# Allegro board LED_FIN.brd (continued)
## Routing (per net, layer and track width the routed paths; a pad name or vN(x,y) marks a point on that pad's centre or on a via; arc(x,y) is an arc through that point) (continued)
COL_OUT_C103: length 257.4
  TOP w0.15: D9287.1 v1(71.25,230.8) ; D9317.1 v1(71.25,228.8) ; D9617.1 v1(71.25,208.8) ; D9947.1 v1(71.25,186.8) ; D9257.1 v1(71.25,232.8) ; D10127.1 v1(71.25,174.8) ; D9767.1 v1(71.25,198.8) ; D9467.1 v1(71.25,218.8) ; D9917.1 v1(71.25,188.8) ; D9557.1 v1(71.25,212.8) ; D9167.1 v1(71.25,238.8) ; D9437.1 v1(71.25,220.8) ; D10157.1 v1(71.25,172.8) ; R257.1 70.7,10.6 v1(71.25,10.6) ; D9197.1 v1(71.25,236.8) ; D9647.1 v1(71.25,206.8) ; D9407.1 v1(71.25,222.8) ; D9527.1 v1(71.25,214.8) ; D9227.1 v1(71.25,234.8) ; D10187.1 v1(71.25,170.8) ; D9737.1 v1(71.25,200.8) ; D9827.1 v1(71.25,194.8) ; D10217.1 v1(71.25,168.8) ; D10247.1 v1(71.25,166.8) ; D9707.1 v1(71.25,202.8) ; D10097.1 v1(71.25,176.8) ; D9587.1 v1(71.25,210.8) ; D9797.1 v1(71.25,196.8) ; D9497.1 v1(71.25,216.8) ; D9347.1 v1(71.25,226.8) ; D9377.1 v1(71.25,224.8) ; D9677.1 v1(71.25,204.8) ; D9857.1 v1(71.25,192.8) ; D9887.1 v1(71.25,190.8) ; D10037.1 v1(71.25,180.8) ; D9977.1 v1(71.25,184.8) ; D10067.1 v1(71.25,178.8) ; D10007.1 v1(71.25,182.8) ; D9137.1 v1(71.25,240.8)
  BOTTOM w0.15: v1(71.25,240.8) v1(71.25,238.8) v1(71.25,236.8) v1(71.25,234.8) v1(71.25,232.8) v1(71.25,230.8) v1(71.25,228.8) v1(71.25,226.8) v1(71.25,224.8) v1(71.25,222.8) v1(71.25,220.8) v1(71.25,218.8) v1(71.25,216.8) v1(71.25,214.8) v1(71.25,212.8) v1(71.25,210.8) v1(71.25,208.8) v1(71.25,206.8) v1(71.25,204.8) v1(71.25,202.8) v1(71.25,200.8) v1(71.25,198.8) v1(71.25,196.8) v1(71.25,194.8) v1(71.25,192.8) v1(71.25,190.8) v1(71.25,188.8) v1(71.25,186.8) v1(71.25,184.8) v1(71.25,182.8) v1(71.25,180.8) v1(71.25,178.8) v1(71.25,176.8) v1(71.25,174.8) v1(71.25,172.8) v1(71.25,170.8) v1(71.25,168.8) v1(71.25,166.8) v1(71.25,10.6)
COL_OUT_C104: length 257.4
  TOP w0.15: D9676.1 v1(69.25,204.8) ; D9196.1 v1(69.25,236.8) ; D10246.1 v1(69.25,166.8) ; D9556.1 v1(69.25,212.8) ; D9316.1 v1(69.25,228.8) ; D9586.1 v1(69.25,210.8) ; D9346.1 v1(69.25,226.8) ; D10186.1 v1(69.25,170.8) ; D9256.1 v1(69.25,232.8) ; D10096.1 v1(69.25,176.8) ; D10006.1 v1(69.25,182.8) ; D9796.1 v1(69.25,196.8) ; D9226.1 v1(69.25,234.8) ; D9856.1 v1(69.25,192.8) ; D9766.1 v1(69.25,198.8) ; D9736.1 v1(69.25,200.8) ; D9406.1 v1(69.25,222.8) ; v1(69.25,10.6) 68.7,10.6 R256.1 ; D9616.1 v1(69.25,208.8) ; D9976.1 v1(69.25,184.8) ; D10156.1 v1(69.25,172.8) ; D10066.1 v1(69.25,178.8) ; D9526.1 v1(69.25,214.8) ; D10126.1 v1(69.25,174.8) ; D9376.1 v1(69.25,224.8) ; D9826.1 v1(69.25,194.8) ; D9706.1 v1(69.25,202.8) ; D9646.1 v1(69.25,206.8) ; D10216.1 v1(69.25,168.8) ; D9946.1 v1(69.25,186.8) ; D9286.1 v1(69.25,230.8) ; D9916.1 v1(69.25,188.8) ; D9496.1 v1(69.25,216.8) ; D9166.1 v1(69.25,238.8) ; D9136.1 v1(69.25,240.8) ; D9436.1 v1(69.25,220.8) ; D9886.1 v1(69.25,190.8) ; D10036.1 v1(69.25,180.8) ; D9466.1 v1(69.25,218.8)
  BOTTOM w0.15: v1(69.25,240.8) v1(69.25,238.8) v1(69.25,236.8) v1(69.25,234.8) v1(69.25,232.8) v1(69.25,230.8) v1(69.25,228.8) v1(69.25,226.8) v1(69.25,224.8) v1(69.25,222.8) v1(69.25,220.8) v1(69.25,218.8) v1(69.25,216.8) v1(69.25,214.8) v1(69.25,212.8) v1(69.25,210.8) v1(69.25,208.8) v1(69.25,206.8) v1(69.25,204.8) v1(69.25,202.8) v1(69.25,200.8) v1(69.25,198.8) v1(69.25,196.8) v1(69.25,194.8) v1(69.25,192.8) v1(69.25,190.8) v1(69.25,188.8) v1(69.25,186.8) v1(69.25,184.8) v1(69.25,182.8) v1(69.25,180.8) v1(69.25,178.8) v1(69.25,176.8) v1(69.25,174.8) v1(69.25,172.8) v1(69.25,170.8) v1(69.25,168.8) v1(69.25,166.8) v1(69.25,10.6)
COL_OUT_C105: length 257.4
  TOP w0.15: D9375.1 v1(67.25,224.8) ; D9135.1 v1(67.25,240.8) ; R255.1 66.7,10.6 v1(67.25,10.6) ; D9585.1 v1(67.25,210.8) ; D9555.1 v1(67.25,212.8) ; D9765.1 v1(67.25,198.8) ; D9705.1 v1(67.25,202.8) ; D9915.1 v1(67.25,188.8) ; D9225.1 v1(67.25,234.8) ; D10245.1 v1(67.25,166.8) ; D9195.1 v1(67.25,236.8) ; D9945.1 v1(67.25,186.8) ; D9825.1 v1(67.25,194.8) ; D9855.1 v1(67.25,192.8) ; D9795.1 v1(67.25,196.8) ; D9345.1 v1(67.25,226.8) ; D9525.1 v1(67.25,214.8) ; D10125.1 v1(67.25,174.8) ; D9735.1 v1(67.25,200.8) ; D10035.1 v1(67.25,180.8) ; D9495.1 v1(67.25,216.8) ; D10215.1 v1(67.25,168.8) ; D9645.1 v1(67.25,206.8) ; D9435.1 v1(67.25,220.8) ; D10095.1 v1(67.25,176.8) ; D10005.1 v1(67.25,182.8) ; D9885.1 v1(67.25,190.8) ; D9285.1 v1(67.25,230.8) ; D9615.1 v1(67.25,208.8) ; D9165.1 v1(67.25,238.8) ; D9465.1 v1(67.25,218.8) ; D10065.1 v1(67.25,178.8) ; D10155.1 v1(67.25,172.8) ; D9255.1 v1(67.25,232.8) ; D9975.1 v1(67.25,184.8) ; D9315.1 v1(67.25,228.8) ; D9675.1 v1(67.25,204.8) ; D10185.1 v1(67.25,170.8) ; D9405.1 v1(67.25,222.8)
  BOTTOM w0.15: v1(67.25,10.6) v1(67.25,166.8) v1(67.25,168.8) v1(67.25,170.8) v1(67.25,172.8) v1(67.25,174.8) v1(67.25,176.8) v1(67.25,178.8) v1(67.25,180.8) v1(67.25,182.8) v1(67.25,184.8) v1(67.25,186.8) v1(67.25,188.8) v1(67.25,190.8) v1(67.25,192.8) v1(67.25,194.8) v1(67.25,196.8) v1(67.25,198.8) v1(67.25,200.8) v1(67.25,202.8) v1(67.25,204.8) v1(67.25,206.8) v1(67.25,208.8) v1(67.25,210.8) v1(67.25,212.8) v1(67.25,214.8) v1(67.25,216.8) v1(67.25,218.8) v1(67.25,220.8) v1(67.25,222.8) v1(67.25,224.8) v1(67.25,226.8) v1(67.25,228.8) v1(67.25,230.8) v1(67.25,232.8) v1(67.25,234.8) v1(67.25,236.8) v1(67.25,238.8) v1(67.25,240.8)
COL_OUT_C106: length 257.4
  TOP w0.15: D9854.1 v1(65.25,192.8) ; D9764.1 v1(65.25,198.8) ; D10004.1 v1(65.25,182.8) ; D10184.1 v1(65.25,170.8) ; D9164.1 v1(65.25,238.8) ; D9464.1 v1(65.25,218.8) ; D9644.1 v1(65.25,206.8) ; D9974.1 v1(65.25,184.8) ; D9944.1 v1(65.25,186.8) ; D9314.1 v1(65.25,228.8) ; D10154.1 v1(65.25,172.8) ; D9344.1 v1(65.25,226.8) ; D9434.1 v1(65.25,220.8) ; D9884.1 v1(65.25,190.8) ; D9914.1 v1(65.25,188.8) ; D9794.1 v1(65.25,196.8) ; D9554.1 v1(65.25,212.8) ; D9404.1 v1(65.25,222.8) ; D9674.1 v1(65.25,204.8) ; D9614.1 v1(65.25,208.8) ; D10124.1 v1(65.25,174.8) ; D10244.1 v1(65.25,166.8) ; D9824.1 v1(65.25,194.8) ; D10094.1 v1(65.25,176.8) ; D9284.1 v1(65.25,230.8) ; D10034.1 v1(65.25,180.8) ; D9254.1 v1(65.25,232.8) ; v1(65.25,10.6) 64.7,10.6 R254.1 ; D9224.1 v1(65.25,234.8) ; D9734.1 v1(65.25,200.8) ; D10064.1 v1(65.25,178.8) ; D10214.1 v1(65.25,168.8) ; D9584.1 v1(65.25,210.8) ; D9704.1 v1(65.25,202.8) ; D9194.1 v1(65.25,236.8) ; D9134.1 v1(65.25,240.8) ; D9374.1 v1(65.25,224.8) ; D9524.1 v1(65.25,214.8) ; D9494.1 v1(65.25,216.8)
  BOTTOM w0.15: v1(65.25,10.6) v1(65.25,166.8) v1(65.25,168.8) v1(65.25,170.8) v1(65.25,172.8) v1(65.25,174.8) v1(65.25,176.8) v1(65.25,178.8) v1(65.25,180.8) v1(65.25,182.8) v1(65.25,184.8) v1(65.25,186.8) v1(65.25,188.8) v1(65.25,190.8) v1(65.25,192.8) v1(65.25,194.8) v1(65.25,196.8) v1(65.25,198.8) v1(65.25,200.8) v1(65.25,202.8) v1(65.25,204.8) v1(65.25,206.8) v1(65.25,208.8) v1(65.25,210.8) v1(65.25,212.8) v1(65.25,214.8) v1(65.25,216.8) v1(65.25,218.8) v1(65.25,220.8) v1(65.25,222.8) v1(65.25,224.8) v1(65.25,226.8) v1(65.25,228.8) v1(65.25,230.8) v1(65.25,232.8) v1(65.25,234.8) v1(65.25,236.8) v1(65.25,238.8) v1(65.25,240.8)
COL_OUT_C107: length 257.4
  TOP w0.15: D9613.1 v1(63.25,208.8) ; D9823.1 v1(63.25,194.8) ; D9703.1 v1(63.25,202.8) ; D9373.1 v1(63.25,224.8) ; D10153.1 v1(63.25,172.8) ; D10123.1 v1(63.25,174.8) ; D9793.1 v1(63.25,196.8) ; D9283.1 v1(63.25,230.8) ; D9583.1 v1(63.25,210.8) ; D9553.1 v1(63.25,212.8) ; D9433.1 v1(63.25,220.8) ; D10003.1 v1(63.25,182.8) ; D10063.1 v1(63.25,178.8) ; D9643.1 v1(63.25,206.8) ; D10243.1 v1(63.25,166.8) ; D9943.1 v1(63.25,186.8) ; D9913.1 v1(63.25,188.8) ; D9343.1 v1(63.25,226.8) ; D9673.1 v1(63.25,204.8) ; D10093.1 v1(63.25,176.8) ; D10033.1 v1(63.25,180.8) ; D9193.1 v1(63.25,236.8) ; D9763.1 v1(63.25,198.8) ; D10213.1 v1(63.25,168.8) ; D9253.1 v1(63.25,232.8) ; D9133.1 v1(63.25,240.8) ; D9223.1 v1(63.25,234.8) ; D9463.1 v1(63.25,218.8) ; D9733.1 v1(63.25,200.8) ; R253.1 62.7,10.6 v1(63.25,10.6) ; D9853.1 v1(63.25,192.8) ; D9493.1 v1(63.25,216.8) ; D9313.1 v1(63.25,228.8) ; D9403.1 v1(63.25,222.8) ; D9973.1 v1(63.25,184.8) ; D9883.1 v1(63.25,190.8) ; D9523.1 v1(63.25,214.8) ; D9163.1 v1(63.25,238.8) ; D10183.1 v1(63.25,170.8)
  BOTTOM w0.15: v1(63.25,10.6) v1(63.25,166.8) v1(63.25,168.8) v1(63.25,170.8) v1(63.25,172.8) v1(63.25,174.8) v1(63.25,176.8) v1(63.25,178.8) v1(63.25,180.8) v1(63.25,182.8) v1(63.25,184.8) v1(63.25,186.8) v1(63.25,188.8) v1(63.25,190.8) v1(63.25,192.8) v1(63.25,194.8) v1(63.25,196.8) v1(63.25,198.8) v1(63.25,200.8) v1(63.25,202.8) v1(63.25,204.8) v1(63.25,206.8) v1(63.25,208.8) v1(63.25,210.8) v1(63.25,212.8) v1(63.25,214.8) v1(63.25,216.8) v1(63.25,218.8) v1(63.25,220.8) v1(63.25,222.8) v1(63.25,224.8) v1(63.25,226.8) v1(63.25,228.8) v1(63.25,230.8) v1(63.25,232.8) v1(63.25,234.8) v1(63.25,236.8) v1(63.25,238.8) v1(63.25,240.8)
COL_OUT_C108: length 257.4
  TOP w0.15: D9462.1 v1(61.25,218.8) ; D9972.1 v1(61.25,184.8) ; D9792.1 v1(61.25,196.8) ; D9762.1 v1(61.25,198.8) ; D9852.1 v1(61.25,192.8) ; R252.1 60.7,10.6 v1(61.25,10.6) ; D9252.1 v1(61.25,232.8) ; D9912.1 v1(61.25,188.8) ; D9882.1 v1(61.25,190.8) ; D9222.1 v1(61.25,234.8) ; D9822.1 v1(61.25,194.8) ; D9612.1 v1(61.25,208.8) ; D9132.1 v1(61.25,240.8) ; D9552.1 v1(61.25,212.8) ; D9342.1 v1(61.25,226.8) ; D9522.1 v1(61.25,214.8) ; D10122.1 v1(61.25,174.8) ; D9942.1 v1(61.25,186.8) ; D10242.1 v1(61.25,166.8) ; D9702.1 v1(61.25,202.8) ; D10212.1 v1(61.25,168.8) ; D9162.1 v1(61.25,238.8) ; D10002.1 v1(61.25,182.8) ; D9312.1 v1(61.25,228.8) ; D9732.1 v1(61.25,200.8) ; D9432.1 v1(61.25,220.8) ; D10092.1 v1(61.25,176.8) ; D10182.1 v1(61.25,170.8) ; D9282.1 v1(61.25,230.8) ; D9402.1 v1(61.25,222.8) ; D10152.1 v1(61.25,172.8) ; D9372.1 v1(61.25,224.8) ; D9192.1 v1(61.25,236.8) ; D10032.1 v1(61.25,180.8) ; D9642.1 v1(61.25,206.8) ; D9672.1 v1(61.25,204.8) ; D9582.1 v1(61.25,210.8) ; D9492.1 v1(61.25,216.8) ; D10062.1 v1(61.25,178.8)
  BOTTOM w0.15: v1(61.25,10.6) v1(61.25,166.8) v1(61.25,168.8) v1(61.25,170.8) v1(61.25,172.8) v1(61.25,174.8) v1(61.25,176.8) v1(61.25,178.8) v1(61.25,180.8) v1(61.25,182.8) v1(61.25,184.8) v1(61.25,186.8) v1(61.25,188.8) v1(61.25,190.8) v1(61.25,192.8) v1(61.25,194.8) v1(61.25,196.8) v1(61.25,198.8) v1(61.25,200.8) v1(61.25,202.8) v1(61.25,204.8) v1(61.25,206.8) v1(61.25,208.8) v1(61.25,210.8) v1(61.25,212.8) v1(61.25,214.8) v1(61.25,216.8) v1(61.25,218.8) v1(61.25,220.8) v1(61.25,222.8) v1(61.25,224.8) v1(61.25,226.8) v1(61.25,228.8) v1(61.25,230.8) v1(61.25,232.8) v1(61.25,234.8) v1(61.25,236.8) v1(61.25,238.8) v1(61.25,240.8)
COL_OUT_C109: length 257.4
  TOP w0.15: D9161.1 v1(59.25,238.8) ; D9491.1 v1(59.25,216.8) ; D9641.1 v1(59.25,206.8) ; D9131.1 v1(59.25,240.8) ; D9431.1 v1(59.25,220.8) ; D9911.1 v1(59.25,188.8) ; D9941.1 v1(59.25,186.8) ; D10211.1 v1(59.25,168.8) ; D10061.1 v1(59.25,178.8) ; D10241.1 v1(59.25,166.8) ; D9371.1 v1(59.25,224.8) ; D10181.1 v1(59.25,170.8) ; D9191.1 v1(59.25,236.8) ; R251.1 58.7,10.6 v1(59.25,10.6) ; D9221.1 v1(59.25,234.8) ; D9971.1 v1(59.25,184.8) ; D9461.1 v1(59.25,218.8) ; D9401.1 v1(59.25,222.8) ; D10031.1 v1(59.25,180.8) ; D9281.1 v1(59.25,230.8) ; D10151.1 v1(59.25,172.8) ; D9761.1 v1(59.25,198.8) ; D9581.1 v1(59.25,210.8) ; D9341.1 v1(59.25,226.8) ; D10001.1 v1(59.25,182.8) ; D9521.1 v1(59.25,214.8) ; D9851.1 v1(59.25,192.8) ; D9611.1 v1(59.25,208.8) ; D10091.1 v1(59.25,176.8) ; D9551.1 v1(59.25,212.8) ; D9251.1 v1(59.25,232.8) ; D9881.1 v1(59.25,190.8) ; D9731.1 v1(59.25,200.8) ; D9791.1 v1(59.25,196.8) ; D9821.1 v1(59.25,194.8) ; D9701.1 v1(59.25,202.8) ; D10121.1 v1(59.25,174.8) ; D9311.1 v1(59.25,228.8) ; D9671.1 v1(59.25,204.8)
  BOTTOM w0.15: v1(59.25,10.6) v1(59.25,166.8) v1(59.25,168.8) v1(59.25,170.8) v1(59.25,172.8) v1(59.25,174.8) v1(59.25,176.8) v1(59.25,178.8) v1(59.25,180.8) v1(59.25,182.8) v1(59.25,184.8) v1(59.25,186.8) v1(59.25,188.8) v1(59.25,190.8) v1(59.25,192.8) v1(59.25,194.8) v1(59.25,196.8) v1(59.25,198.8) v1(59.25,200.8) v1(59.25,202.8) v1(59.25,204.8) v1(59.25,206.8) v1(59.25,208.8) v1(59.25,210.8) v1(59.25,212.8) v1(59.25,214.8) v1(59.25,216.8) v1(59.25,218.8) v1(59.25,220.8) v1(59.25,222.8) v1(59.25,224.8) v1(59.25,226.8) v1(59.25,228.8) v1(59.25,230.8) v1(59.25,232.8) v1(59.25,234.8) v1(59.25,236.8) v1(59.25,238.8) v1(59.25,240.8)
COL_OUT_C110: length 257.4
  TOP w0.15: D9550.1 v1(57.25,212.8) ; D9400.1 v1(57.25,222.8) ; D9910.1 v1(57.25,188.8) ; D10210.1 v1(57.25,168.8) ; D10090.1 v1(57.25,176.8) ; D10240.1 v1(57.25,166.8) ; D9220.1 v1(57.25,234.8) ; R250.1 56.7,10.6 v1(57.25,10.6) ; D9760.1 v1(57.25,198.8) ; D10120.1 v1(57.25,174.8) ; D9430.1 v1(57.25,220.8) ; D10000.1 v1(57.25,182.8) ; D9790.1 v1(57.25,196.8) ; D9580.1 v1(57.25,210.8) ; D9670.1 v1(57.25,204.8) ; D9940.1 v1(57.25,186.8) ; D9460.1 v1(57.25,218.8) ; D9820.1 v1(57.25,194.8) ; D9850.1 v1(57.25,192.8) ; D9640.1 v1(57.25,206.8) ; D9160.1 v1(57.25,238.8) ; D9730.1 v1(57.25,200.8) ; D9880.1 v1(57.25,190.8) ; D9310.1 v1(57.25,228.8) ; D10180.1 v1(57.25,170.8) ; D10150.1 v1(57.25,172.8) ; D9250.1 v1(57.25,232.8) ; D9700.1 v1(57.25,202.8) ; D10030.1 v1(57.25,180.8) ; D9610.1 v1(57.25,208.8) ; D9130.1 v1(57.25,240.8) ; D10060.1 v1(57.25,178.8) ; D9370.1 v1(57.25,224.8) ; D9340.1 v1(57.25,226.8) ; D9490.1 v1(57.25,216.8) ; D9520.1 v1(57.25,214.8) ; D9280.1 v1(57.25,230.8) ; D9970.1 v1(57.25,184.8) ; D9190.1 v1(57.25,236.8)
  BOTTOM w0.15: v1(57.25,240.8) v1(57.25,238.8) v1(57.25,236.8) v1(57.25,234.8) v1(57.25,232.8) v1(57.25,230.8) v1(57.25,228.8) v1(57.25,226.8) v1(57.25,224.8) v1(57.25,222.8) v1(57.25,220.8) v1(57.25,218.8) v1(57.25,216.8) v1(57.25,214.8) v1(57.25,212.8) v1(57.25,210.8) v1(57.25,208.8) v1(57.25,206.8) v1(57.25,204.8) v1(57.25,202.8) v1(57.25,200.8) v1(57.25,198.8) v1(57.25,196.8) v1(57.25,194.8) v1(57.25,192.8) v1(57.25,190.8) v1(57.25,188.8) v1(57.25,186.8) v1(57.25,184.8) v1(57.25,182.8) v1(57.25,180.8) v1(57.25,178.8) v1(57.25,176.8) v1(57.25,174.8) v1(57.25,172.8) v1(57.25,170.8) v1(57.25,168.8) v1(57.25,166.8) v1(57.25,10.6)
COL_OUT_C111: length 257.4
  TOP w0.15: D9819.1 v1(55.25,194.8) ; D9999.1 v1(55.25,182.8) ; D9789.1 v1(55.25,196.8) ; D9549.1 v1(55.25,212.8) ; D9729.1 v1(55.25,200.8) ; D9519.1 v1(55.25,214.8) ; D10089.1 v1(55.25,176.8) ; D9909.1 v1(55.25,188.8) ; D9339.1 v1(55.25,226.8) ; D10179.1 v1(55.25,170.8) ; D9939.1 v1(55.25,186.8) ; D10119.1 v1(55.25,174.8) ; D9969.1 v1(55.25,184.8) ; D9279.1 v1(55.25,230.8) ; D9879.1 v1(55.25,190.8) ; D9159.1 v1(55.25,238.8) ; D9309.1 v1(55.25,228.8) ; D9669.1 v1(55.25,204.8) ; D10209.1 v1(55.25,168.8) ; D9249.1 v1(55.25,232.8) ; D9579.1 v1(55.25,210.8) ; D9219.1 v1(55.25,234.8) ; D9489.1 v1(55.25,216.8) ; D9849.1 v1(55.25,192.8) ; D9459.1 v1(55.25,218.8) ; D9129.1 v1(55.25,240.8) ; R249.1 54.7,10.6 v1(55.25,10.6) ; D9429.1 v1(55.25,220.8) ; D9369.1 v1(55.25,224.8) ; D10059.1 v1(55.25,178.8) ; D9399.1 v1(55.25,222.8) ; D9639.1 v1(55.25,206.8) ; D10029.1 v1(55.25,180.8) ; D9609.1 v1(55.25,208.8) ; D10239.1 v1(55.25,166.8) ; D10149.1 v1(55.25,172.8) ; D9759.1 v1(55.25,198.8) ; D9699.1 v1(55.25,202.8) ; D9189.1 v1(55.25,236.8)
  BOTTOM w0.15: v1(55.25,10.6) v1(55.25,166.8) v1(55.25,168.8) v1(55.25,170.8) v1(55.25,172.8) v1(55.25,174.8) v1(55.25,176.8) v1(55.25,178.8) v1(55.25,180.8) v1(55.25,182.8) v1(55.25,184.8) v1(55.25,186.8) v1(55.25,188.8) v1(55.25,190.8) v1(55.25,192.8) v1(55.25,194.8) v1(55.25,196.8) v1(55.25,198.8) v1(55.25,200.8) v1(55.25,202.8) v1(55.25,204.8) v1(55.25,206.8) v1(55.25,208.8) v1(55.25,210.8) v1(55.25,212.8) v1(55.25,214.8) v1(55.25,216.8) v1(55.25,218.8) v1(55.25,220.8) v1(55.25,222.8) v1(55.25,224.8) v1(55.25,226.8) v1(55.25,228.8) v1(55.25,230.8) v1(55.25,232.8) v1(55.25,234.8) v1(55.25,236.8) v1(55.25,238.8) v1(55.25,240.8)
COL_OUT_C112: length 257.4
  TOP w0.15: D10238.1 v1(53.25,166.8) ; D9488.1 v1(53.25,216.8) ; D9698.1 v1(53.25,202.8) ; D9998.1 v1(53.25,182.8) ; D10058.1 v1(53.25,178.8) ; D9878.1 v1(53.25,190.8) ; R248.1 52.7,10.6 v1(53.25,10.6) ; D9218.1 v1(53.25,234.8) ; D9458.1 v1(53.25,218.8) ; D9668.1 v1(53.25,204.8) ; D10118.1 v1(53.25,174.8) ; D9158.1 v1(53.25,238.8) ; D9248.1 v1(53.25,232.8) ; D9578.1 v1(53.25,210.8) ; D9908.1 v1(53.25,188.8) ; D9278.1 v1(53.25,230.8) ; D9338.1 v1(53.25,226.8) ; D9368.1 v1(53.25,224.8) ; D9758.1 v1(53.25,198.8) ; D9938.1 v1(53.25,186.8) ; D9308.1 v1(53.25,228.8) ; D10208.1 v1(53.25,168.8) ; D9548.1 v1(53.25,212.8) ; D9608.1 v1(53.25,208.8) ; D9728.1 v1(53.25,200.8) ; D9818.1 v1(53.25,194.8) ; D9788.1 v1(53.25,196.8) ; D10028.1 v1(53.25,180.8) ; D9398.1 v1(53.25,222.8) ; D10148.1 v1(53.25,172.8) ; D9128.1 v1(53.25,240.8) ; D9638.1 v1(53.25,206.8) ; D9428.1 v1(53.25,220.8) ; D9968.1 v1(53.25,184.8) ; D9848.1 v1(53.25,192.8) ; D9518.1 v1(53.25,214.8) ; D10178.1 v1(53.25,170.8) ; D9188.1 v1(53.25,236.8) ; D10088.1 v1(53.25,176.8)
  BOTTOM w0.15: v1(53.25,10.6) v1(53.25,166.8) v1(53.25,168.8) v1(53.25,170.8) v1(53.25,172.8) v1(53.25,174.8) v1(53.25,176.8) v1(53.25,178.8) v1(53.25,180.8) v1(53.25,182.8) v1(53.25,184.8) v1(53.25,186.8) v1(53.25,188.8) v1(53.25,190.8) v1(53.25,192.8) v1(53.25,194.8) v1(53.25,196.8) v1(53.25,198.8) v1(53.25,200.8) v1(53.25,202.8) v1(53.25,204.8) v1(53.25,206.8) v1(53.25,208.8) v1(53.25,210.8) v1(53.25,212.8) v1(53.25,214.8) v1(53.25,216.8) v1(53.25,218.8) v1(53.25,220.8) v1(53.25,222.8) v1(53.25,224.8) v1(53.25,226.8) v1(53.25,228.8) v1(53.25,230.8) v1(53.25,232.8) v1(53.25,234.8) v1(53.25,236.8) v1(53.25,238.8) v1(53.25,240.8)
COL_OUT_C113: length 257.4
  TOP w0.15: D9277.1 v1(51.25,230.8) ; D9367.1 v1(51.25,224.8) ; D9667.1 v1(51.25,204.8) ; D9247.1 v1(51.25,232.8) ; D9127.1 v1(51.25,240.8) ; v1(51.25,10.6) 50.7,10.6 R247.1 ; D9847.1 v1(51.25,192.8) ; D9487.1 v1(51.25,216.8) ; D9637.1 v1(51.25,206.8) ; D9787.1 v1(51.25,196.8) ; D9187.1 v1(51.25,236.8) ; D10087.1 v1(51.25,176.8) ; D9577.1 v1(51.25,210.8) ; D9457.1 v1(51.25,218.8) ; D9217.1 v1(51.25,234.8) ; D9937.1 v1(51.25,186.8) ; D9337.1 v1(51.25,226.8) ; D9757.1 v1(51.25,198.8) ; D9157.1 v1(51.25,238.8) ; D10117.1 v1(51.25,174.8) ; D10177.1 v1(51.25,170.8) ; D9997.1 v1(51.25,182.8) ; D9967.1 v1(51.25,184.8) ; D9427.1 v1(51.25,220.8) ; D10237.1 v1(51.25,166.8) ; D10207.1 v1(51.25,168.8) ; D9517.1 v1(51.25,214.8) ; D9547.1 v1(51.25,212.8) ; D10147.1 v1(51.25,172.8) ; D9307.1 v1(51.25,228.8) ; D9697.1 v1(51.25,202.8) ; D10057.1 v1(51.25,178.8) ; D10027.1 v1(51.25,180.8) ; D9907.1 v1(51.25,188.8) ; D9817.1 v1(51.25,194.8) ; D9397.1 v1(51.25,222.8) ; D9607.1 v1(51.25,208.8) ; D9877.1 v1(51.25,190.8) ; D9727.1 v1(51.25,200.8)
  BOTTOM w0.15: v1(51.25,240.8) v1(51.25,238.8) v1(51.25,236.8) v1(51.25,234.8) v1(51.25,232.8) v1(51.25,230.8) v1(51.25,228.8) v1(51.25,226.8) v1(51.25,224.8) v1(51.25,222.8) v1(51.25,220.8) v1(51.25,218.8) v1(51.25,216.8) v1(51.25,214.8) v1(51.25,212.8) v1(51.25,210.8) v1(51.25,208.8) v1(51.25,206.8) v1(51.25,204.8) v1(51.25,202.8) v1(51.25,200.8) v1(51.25,198.8) v1(51.25,196.8) v1(51.25,194.8) v1(51.25,192.8) v1(51.25,190.8) v1(51.25,188.8) v1(51.25,186.8) v1(51.25,184.8) v1(51.25,182.8) v1(51.25,180.8) v1(51.25,178.8) v1(51.25,176.8) v1(51.25,174.8) v1(51.25,172.8) v1(51.25,170.8) v1(51.25,168.8) v1(51.25,166.8) v1(51.25,10.6)
COL_OUT_C114: length 257.4
  TOP w0.15: D10086.1 v1(49.25,176.8) ; D9186.1 v1(49.25,236.8) ; D9576.1 v1(49.25,210.8) ; D9966.1 v1(49.25,184.8) ; D9126.1 v1(49.25,240.8) ; D9546.1 v1(49.25,212.8) ; D9936.1 v1(49.25,186.8) ; D10236.1 v1(49.25,166.8) ; D9426.1 v1(49.25,220.8) ; D9636.1 v1(49.25,206.8) ; D9696.1 v1(49.25,202.8) ; D9846.1 v1(49.25,192.8) ; D9486.1 v1(49.25,216.8) ; D9246.1 v1(49.25,232.8) ; D9366.1 v1(49.25,224.8) ; D9876.1 v1(49.25,190.8) ; D10206.1 v1(49.25,168.8) ; D9756.1 v1(49.25,198.8) ; D9606.1 v1(49.25,208.8) ; D9156.1 v1(49.25,238.8) ; D9726.1 v1(49.25,200.8) ; D9906.1 v1(49.25,188.8) ; D10026.1 v1(49.25,180.8) ; D9336.1 v1(49.25,226.8) ; D9216.1 v1(49.25,234.8) ; D9996.1 v1(49.25,182.8) ; D9306.1 v1(49.25,228.8) ; v1(49.25,10.6) 48.7,10.6 R246.1 ; D10116.1 v1(49.25,174.8) ; D9396.1 v1(49.25,222.8) ; D9516.1 v1(49.25,214.8) ; D9666.1 v1(49.25,204.8) ; D9456.1 v1(49.25,218.8) ; D9816.1 v1(49.25,194.8) ; D10176.1 v1(49.25,170.8) ; D10146.1 v1(49.25,172.8) ; D9786.1 v1(49.25,196.8) ; D10056.1 v1(49.25,178.8) ; D9276.1 v1(49.25,230.8)
  BOTTOM w0.15: v1(49.25,240.8) v1(49.25,238.8) v1(49.25,236.8) v1(49.25,234.8) v1(49.25,232.8) v1(49.25,230.8) v1(49.25,228.8) v1(49.25,226.8) v1(49.25,224.8) v1(49.25,222.8) v1(49.25,220.8) v1(49.25,218.8) v1(49.25,216.8) v1(49.25,214.8) v1(49.25,212.8) v1(49.25,210.8) v1(49.25,208.8) v1(49.25,206.8) v1(49.25,204.8) v1(49.25,202.8) v1(49.25,200.8) v1(49.25,198.8) v1(49.25,196.8) v1(49.25,194.8) v1(49.25,192.8) v1(49.25,190.8) v1(49.25,188.8) v1(49.25,186.8) v1(49.25,184.8) v1(49.25,182.8) v1(49.25,180.8) v1(49.25,178.8) v1(49.25,176.8) v1(49.25,174.8) v1(49.25,172.8) v1(49.25,170.8) v1(49.25,168.8) v1(49.25,166.8) v1(49.25,10.6)
COL_OUT_C115: length 257.4
  TOP w0.15: D9965.1 v1(47.25,184.8) ; D9515.1 v1(47.25,214.8) ; D9425.1 v1(47.25,220.8) ; D9245.1 v1(47.25,232.8) ; D10235.1 v1(47.25,166.8) ; D9875.1 v1(47.25,190.8) ; R245.1 46.7,10.6 v1(47.25,10.6) ; D9395.1 v1(47.25,222.8) ; D9215.1 v1(47.25,234.8) ; D10145.1 v1(47.25,172.8) ; D10175.1 v1(47.25,170.8) ; D10085.1 v1(47.25,176.8) ; D9995.1 v1(47.25,182.8) ; D9365.1 v1(47.25,224.8) ; D9785.1 v1(47.25,196.8) ; D9335.1 v1(47.25,226.8) ; D9575.1 v1(47.25,210.8) ; D10025.1 v1(47.25,180.8) ; D10205.1 v1(47.25,168.8) ; D9125.1 v1(47.25,240.8) ; D9635.1 v1(47.25,206.8) ; D9665.1 v1(47.25,204.8) ; D9185.1 v1(47.25,236.8) ; D9815.1 v1(47.25,194.8) ; D9305.1 v1(47.25,228.8) ; D10055.1 v1(47.25,178.8) ; D9605.1 v1(47.25,208.8) ; D9545.1 v1(47.25,212.8) ; D9845.1 v1(47.25,192.8) ; D9755.1 v1(47.25,198.8) ; D9155.1 v1(47.25,238.8) ; D9905.1 v1(47.25,188.8) ; D9725.1 v1(47.25,200.8) ; D9935.1 v1(47.25,186.8) ; D10115.1 v1(47.25,174.8) ; D9485.1 v1(47.25,216.8) ; D9275.1 v1(47.25,230.8) ; D9455.1 v1(47.25,218.8) ; D9695.1 v1(47.25,202.8)
  BOTTOM w0.15: v1(47.25,240.8) v1(47.25,238.8) v1(47.25,236.8) v1(47.25,234.8) v1(47.25,232.8) v1(47.25,230.8) v1(47.25,228.8) v1(47.25,226.8) v1(47.25,224.8) v1(47.25,222.8) v1(47.25,220.8) v1(47.25,218.8) v1(47.25,216.8) v1(47.25,214.8) v1(47.25,212.8) v1(47.25,210.8) v1(47.25,208.8) v1(47.25,206.8) v1(47.25,204.8) v1(47.25,202.8) v1(47.25,200.8) v1(47.25,198.8) v1(47.25,196.8) v1(47.25,194.8) v1(47.25,192.8) v1(47.25,190.8) v1(47.25,188.8) v1(47.25,186.8) v1(47.25,184.8) v1(47.25,182.8) v1(47.25,180.8) v1(47.25,178.8) v1(47.25,176.8) v1(47.25,174.8) v1(47.25,172.8) v1(47.25,170.8) v1(47.25,168.8) v1(47.25,166.8) v1(47.25,10.6)
COL_OUT_C116: length 257.4
  TOP w0.15: D9784.1 v1(45.25,196.8) ; D9394.1 v1(45.25,222.8) ; D9364.1 v1(45.25,224.8) ; D9484.1 v1(45.25,216.8) ; D9244.1 v1(45.25,232.8) ; D10144.1 v1(45.25,172.8) ; D9934.1 v1(45.25,186.8) ; D9454.1 v1(45.25,218.8) ; R244.1 44.7,10.6 v1(45.25,10.6) ; D9604.1 v1(45.25,208.8) ; D9274.1 v1(45.25,230.8) ; D9964.1 v1(45.25,184.8) ; D9514.1 v1(45.25,214.8) ; D9814.1 v1(45.25,194.8) ; D9844.1 v1(45.25,192.8) ; D9154.1 v1(45.25,238.8) ; D10234.1 v1(45.25,166.8) ; D9424.1 v1(45.25,220.8) ; D9544.1 v1(45.25,212.8) ; D9304.1 v1(45.25,228.8) ; D9874.1 v1(45.25,190.8) ; D9214.1 v1(45.25,234.8) ; D10054.1 v1(45.25,178.8) ; D10204.1 v1(45.25,168.8) ; D9184.1 v1(45.25,236.8) ; D9634.1 v1(45.25,206.8) ; D9754.1 v1(45.25,198.8) ; D9994.1 v1(45.25,182.8) ; D9664.1 v1(45.25,204.8) ; D9904.1 v1(45.25,188.8) ; D10084.1 v1(45.25,176.8) ; D9124.1 v1(45.25,240.8) ; D9574.1 v1(45.25,210.8) ; D10024.1 v1(45.25,180.8) ; D10174.1 v1(45.25,170.8) ; D9694.1 v1(45.25,202.8) ; D9724.1 v1(45.25,200.8) ; D9334.1 v1(45.25,226.8) ; D10114.1 v1(45.25,174.8)
  BOTTOM w0.15: v1(45.25,10.6) v1(45.25,166.8) v1(45.25,168.8) v1(45.25,170.8) v1(45.25,172.8) v1(45.25,174.8) v1(45.25,176.8) v1(45.25,178.8) v1(45.25,180.8) v1(45.25,182.8) v1(45.25,184.8) v1(45.25,186.8) v1(45.25,188.8) v1(45.25,190.8) v1(45.25,192.8) v1(45.25,194.8) v1(45.25,196.8) v1(45.25,198.8) v1(45.25,200.8) v1(45.25,202.8) v1(45.25,204.8) v1(45.25,206.8) v1(45.25,208.8) v1(45.25,210.8) v1(45.25,212.8) v1(45.25,214.8) v1(45.25,216.8) v1(45.25,218.8) v1(45.25,220.8) v1(45.25,222.8) v1(45.25,224.8) v1(45.25,226.8) v1(45.25,228.8) v1(45.25,230.8) v1(45.25,232.8) v1(45.25,234.8) v1(45.25,236.8) v1(45.25,238.8) v1(45.25,240.8)
COL_OUT_C117: length 257.4
  TOP w0.15: D9723.1 v1(43.25,200.8) ; D9213.1 v1(43.25,234.8) ; D10143.1 v1(43.25,172.8) ; D9783.1 v1(43.25,196.8) ; D9903.1 v1(43.25,188.8) ; D9303.1 v1(43.25,228.8) ; D9873.1 v1(43.25,190.8) ; D9963.1 v1(43.25,184.8) ; D9543.1 v1(43.25,212.8) ; R243.1 42.7,10.6 v1(43.25,10.6) ; D10233.1 v1(43.25,166.8) ; D9753.1 v1(43.25,198.8) ; D9393.1 v1(43.25,222.8) ; D9603.1 v1(43.25,208.8) ; D9183.1 v1(43.25,236.8) ; D9933.1 v1(43.25,186.8) ; D9633.1 v1(43.25,206.8) ; D9423.1 v1(43.25,220.8) ; D9663.1 v1(43.25,204.8) ; D9693.1 v1(43.25,202.8) ; D9153.1 v1(43.25,238.8) ; D9453.1 v1(43.25,218.8) ; D10113.1 v1(43.25,174.8) ; D10083.1 v1(43.25,176.8) ; D9843.1 v1(43.25,192.8) ; D10173.1 v1(43.25,170.8) ; D9273.1 v1(43.25,230.8) ; D10053.1 v1(43.25,178.8) ; D9123.1 v1(43.25,240.8) ; D9993.1 v1(43.25,182.8) ; D10203.1 v1(43.25,168.8) ; D9363.1 v1(43.25,224.8) ; D9243.1 v1(43.25,232.8) ; D9513.1 v1(43.25,214.8) ; D9333.1 v1(43.25,226.8) ; D9573.1 v1(43.25,210.8) ; D10023.1 v1(43.25,180.8) ; D9813.1 v1(43.25,194.8) ; D9483.1 v1(43.25,216.8)
  BOTTOM w0.15: v1(43.25,10.6) v1(43.25,166.8) v1(43.25,168.8) v1(43.25,170.8) v1(43.25,172.8) v1(43.25,174.8) v1(43.25,176.8) v1(43.25,178.8) v1(43.25,180.8) v1(43.25,182.8) v1(43.25,184.8) v1(43.25,186.8) v1(43.25,188.8) v1(43.25,190.8) v1(43.25,192.8) v1(43.25,194.8) v1(43.25,196.8) v1(43.25,198.8) v1(43.25,200.8) v1(43.25,202.8) v1(43.25,204.8) v1(43.25,206.8) v1(43.25,208.8) v1(43.25,210.8) v1(43.25,212.8) v1(43.25,214.8) v1(43.25,216.8) v1(43.25,218.8) v1(43.25,220.8) v1(43.25,222.8) v1(43.25,224.8) v1(43.25,226.8) v1(43.25,228.8) v1(43.25,230.8) v1(43.25,232.8) v1(43.25,234.8) v1(43.25,236.8) v1(43.25,238.8) v1(43.25,240.8)